# Altium PCB PCB1.PcbDoc (part 1 of 2)
Units mil, origin at the board's own origin, x right, y up, seen from the top; angles counter-clockwise.
Board outline 4330.71 x 4330.71 mil, 3 copper layers (Top Layer, Mid-Layer 3, Bottom Layer); 149 components, 127 nets, 537 pads, 276 vias.
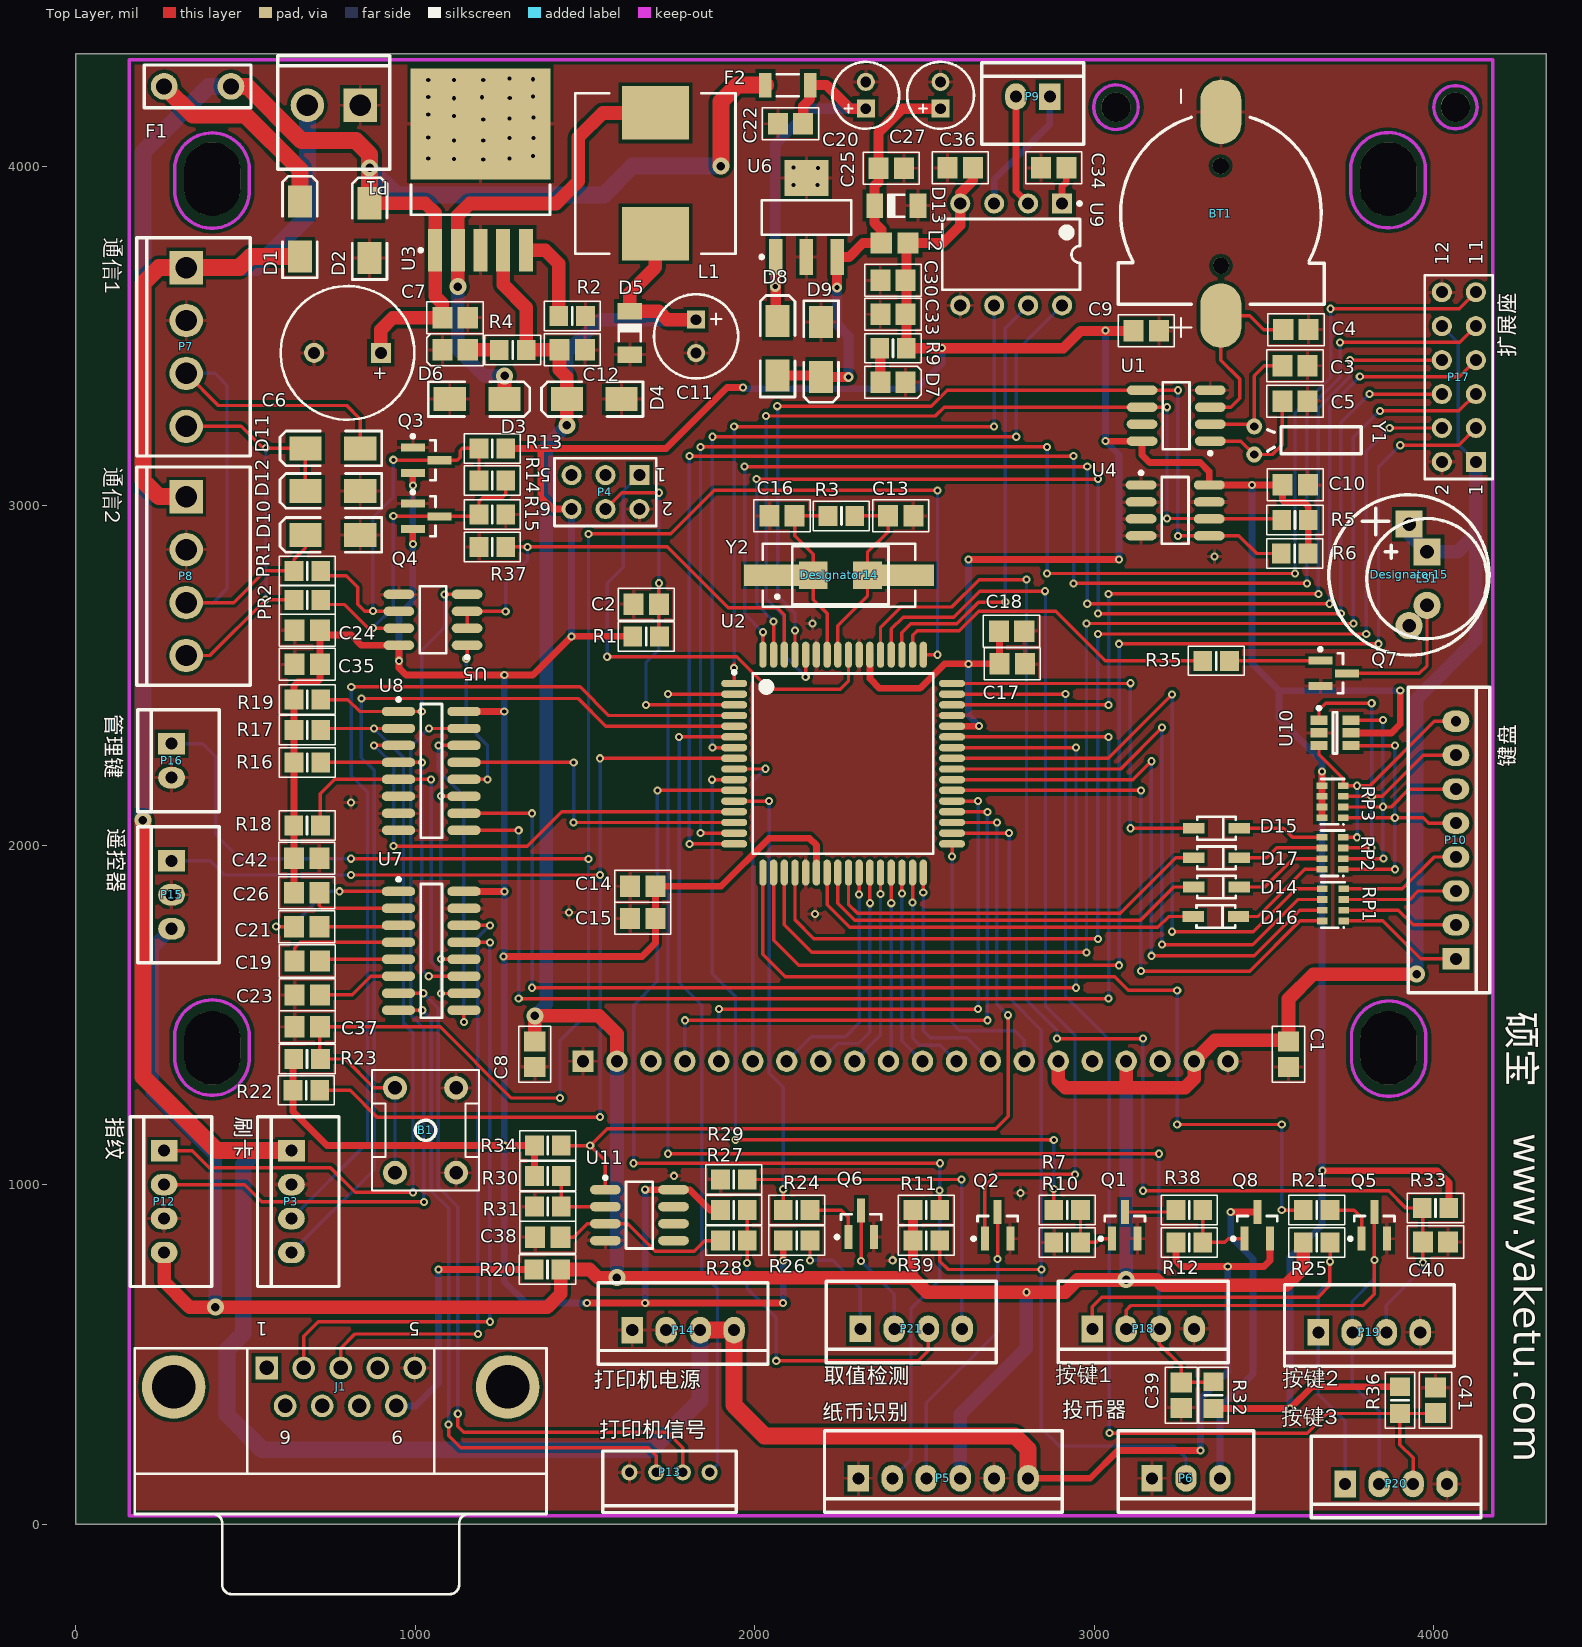
[diagram p0: Top Layer view]
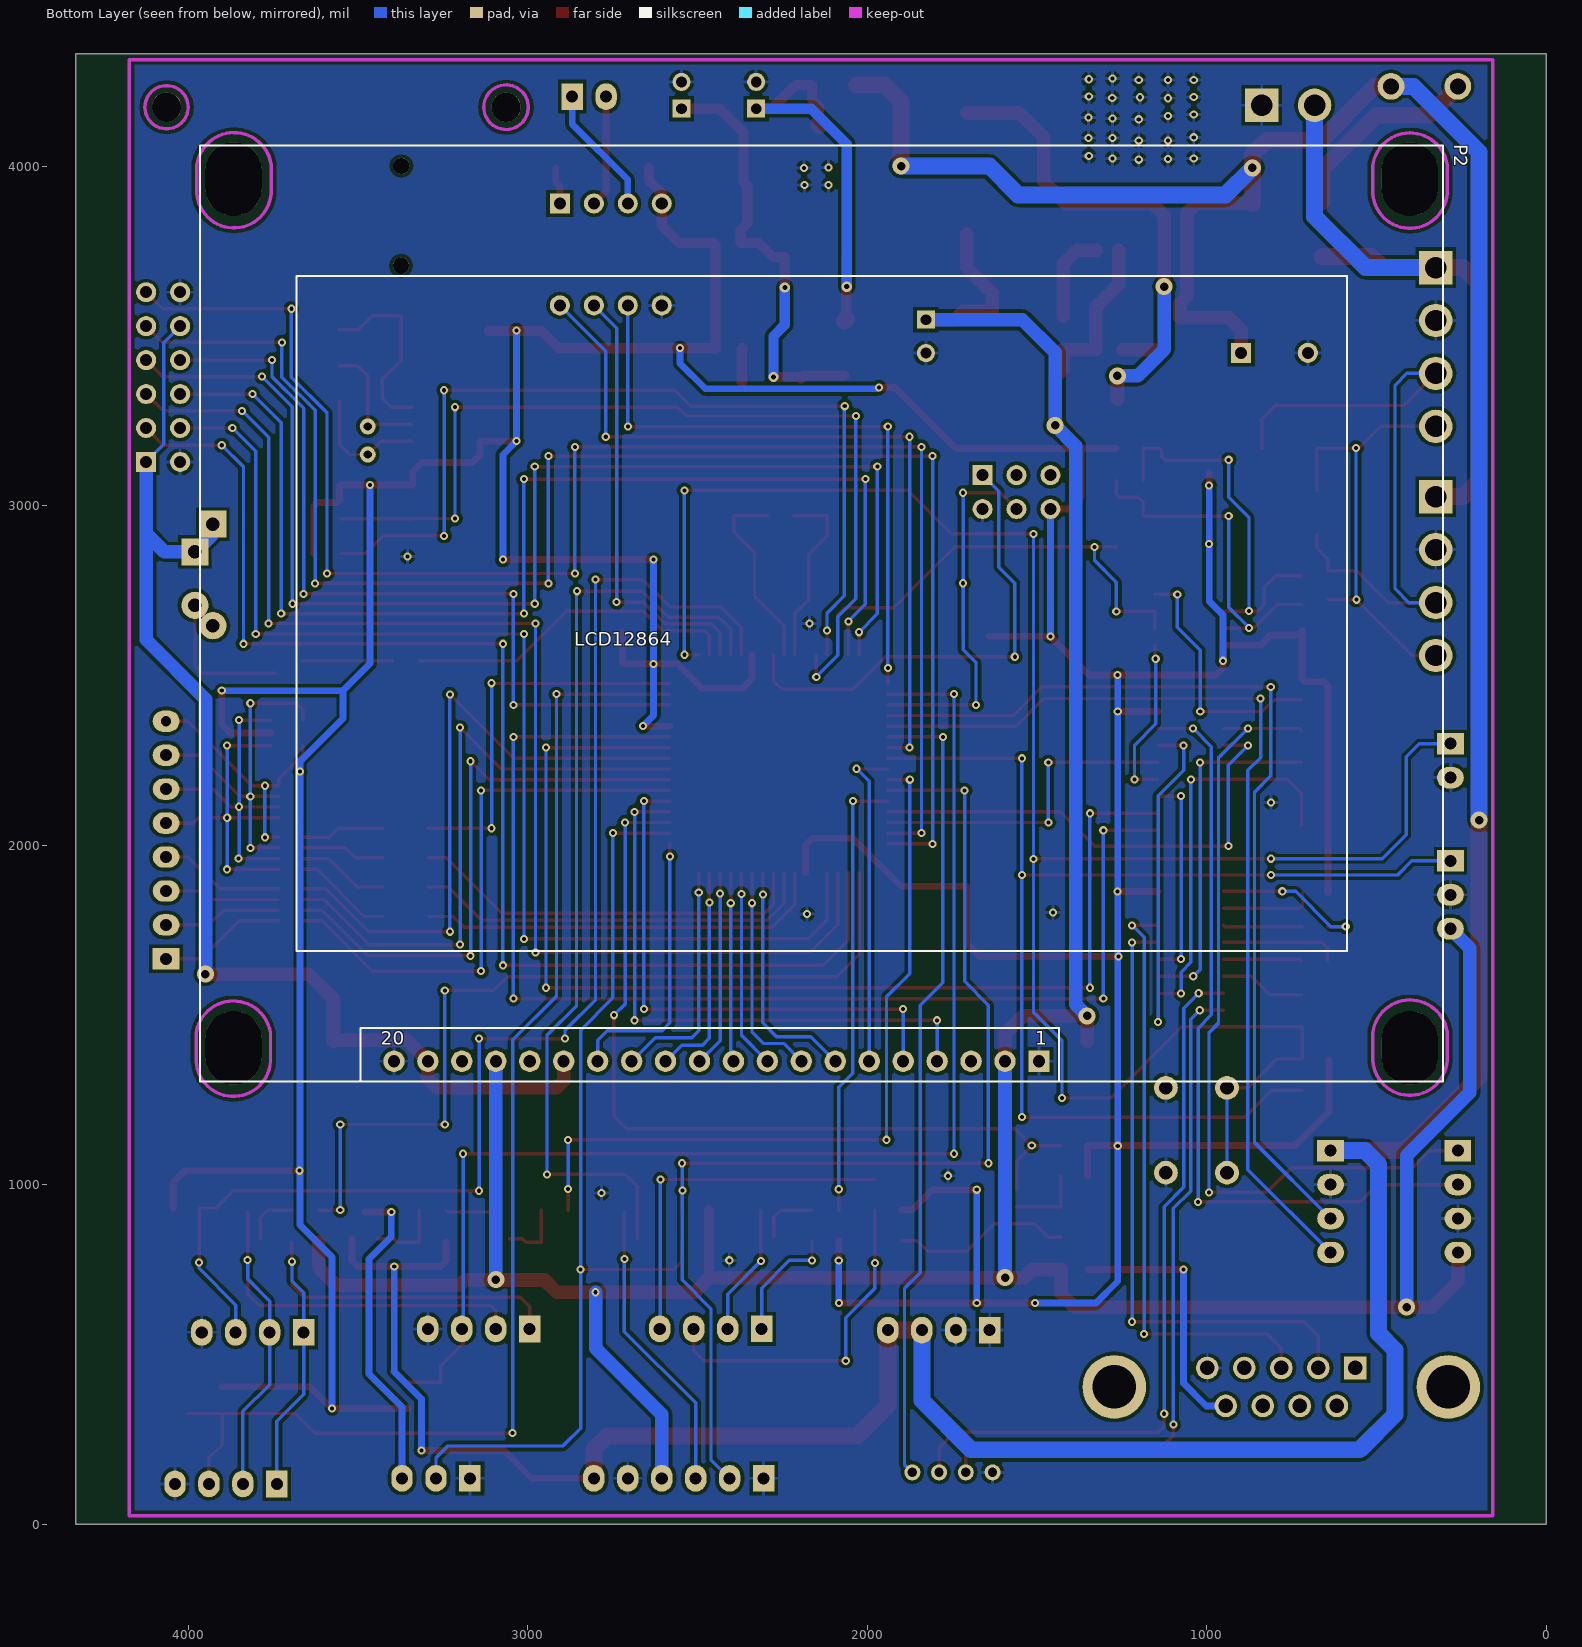
[diagram p1: Bottom Layer view, seen from below]
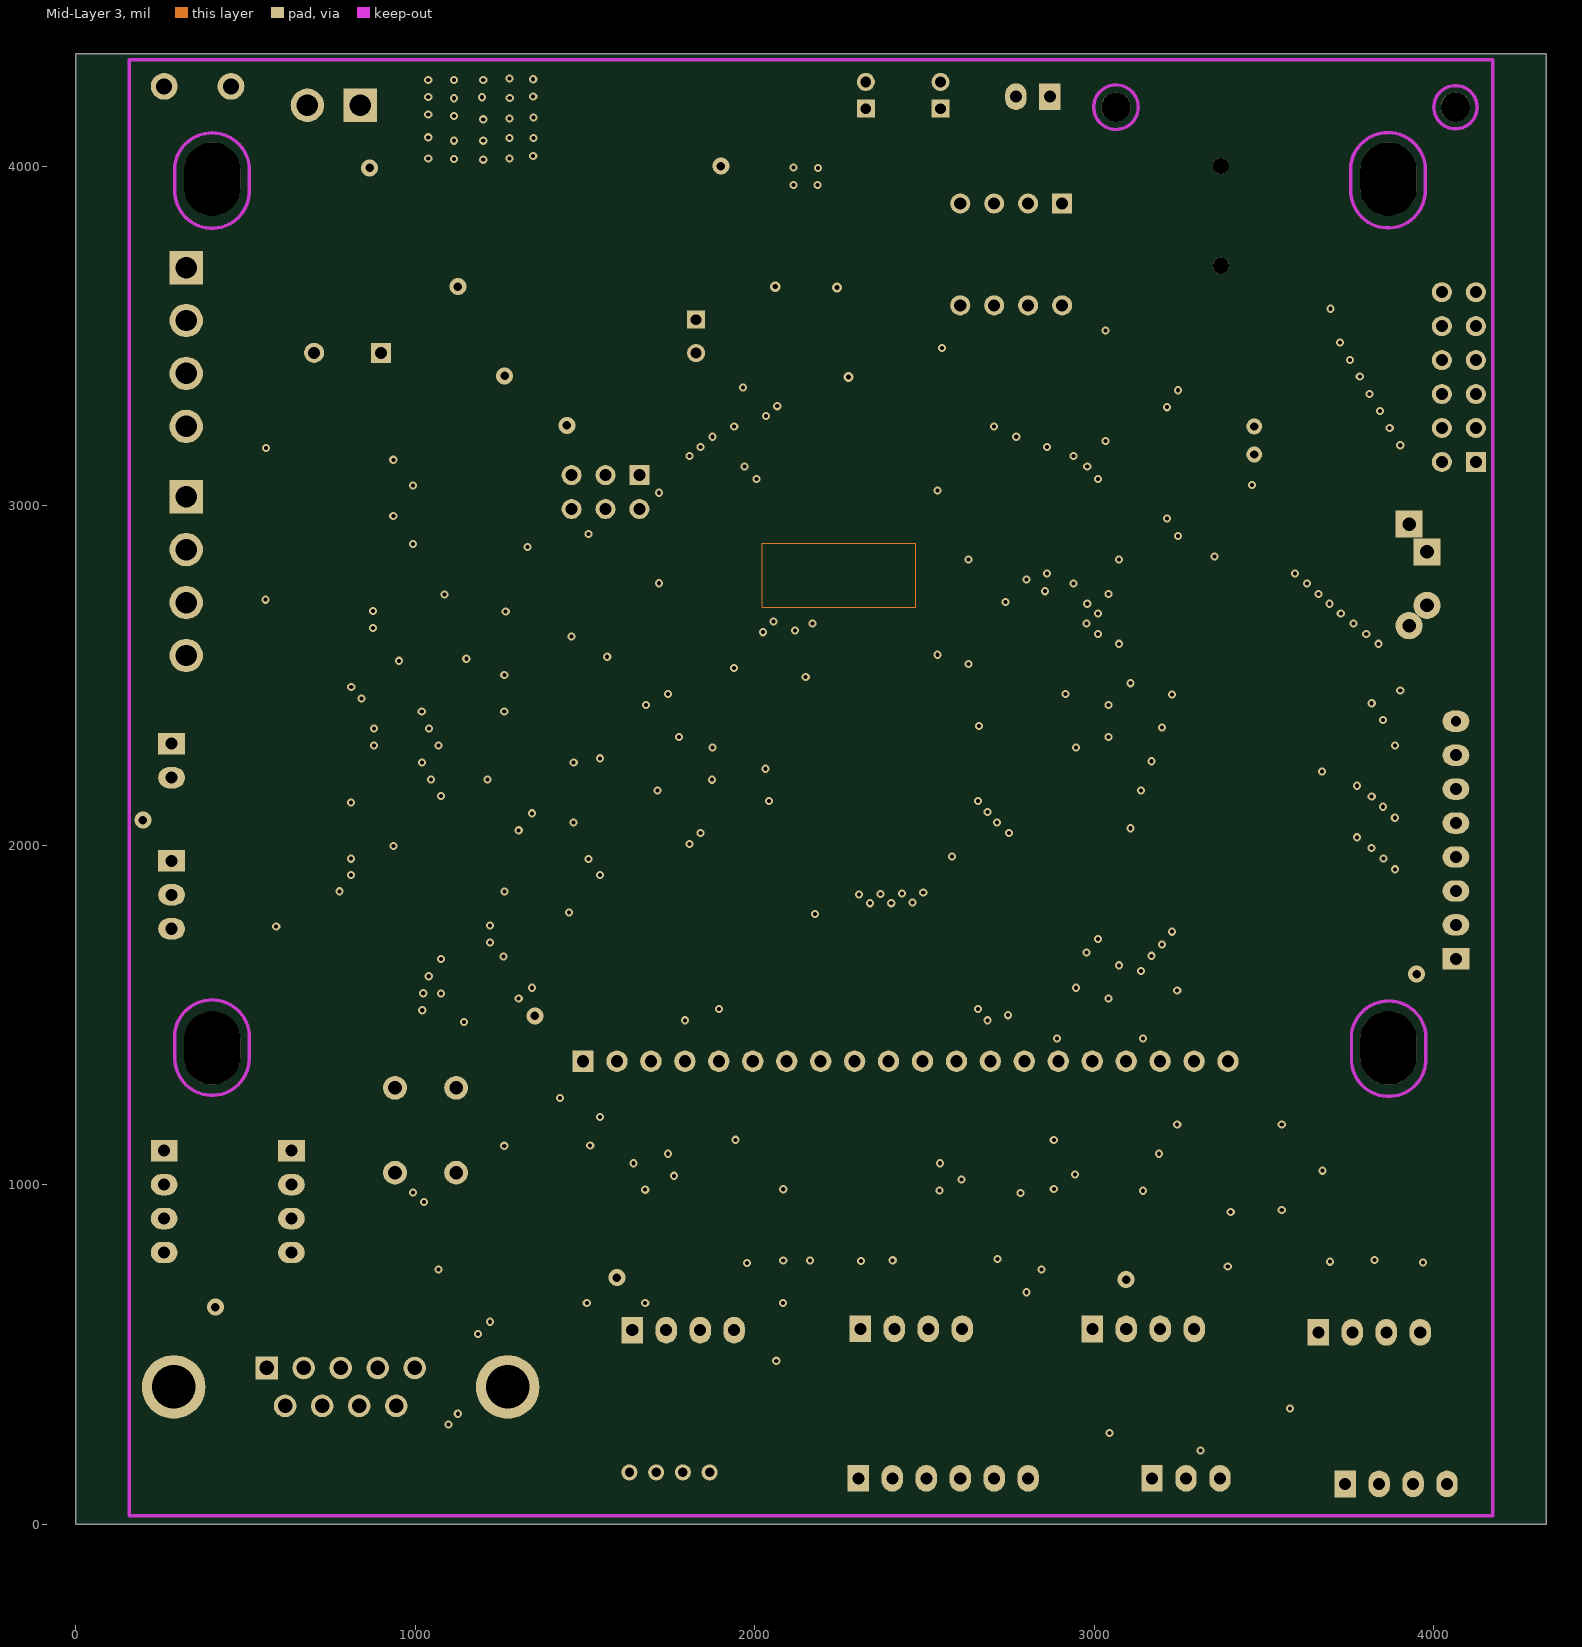
[diagram p2: Mid-Layer 3]

## Layer stack, top to bottom
Top Solder: solder mask 0.4, Solder Resist, Dk 3.5
Top Layer: signal copper 1.4
Dielectric 1: dielectric 12.6, FR-4, Dk 4.8
Mid-Layer 3: signal copper 1.4
Dielectric2: dielectric 12.6, FR-4, Dk 4.8
Bottom Layer: signal copper 1.4
Bottom Solder: solder mask 0.4, Solder Resist, Dk 3.5

## Board outline
0,0 0,4330.71 4330.71,4330.71 4330.71,0

## Design rules (kind name [scope] priority, off if disabled: settings)
Clearance [All] p1: gap=10
HoleSize [All] p1: absolutevalues=TRUE maxlimit=500 minlimit=1 maxpercent=80.000 minpercent=20.000
PolygonConnect [All] p1: connectstyle=Relief reliefconductorwidth=10 reliefentries=4 polygonreliefangle="90 Angle" airgapwidth=10
RoutingVias [All] p1: holewidth=28 width=50 viastyle="Through Hole" minholewidth=28 minwidth=50 maxholewidth=28 maxwidth=50
SilkToBoardRegionClearance [All] p1 off:
SilkToSilkClearance [All] p1 off: silktosilkclearance=10
SilkToSolderMaskClearance [IsPad] p1 off: minsilkscreentomaskgap=10 clearancetoexposedcopper=TRUE
SolderMaskExpansion [All] p1: expansion=4
Width [All] p1: maxlimit=50 minlimit=10 preferedwidth=10
25 further rules are at their usual default settings.

## Components (designator, comment, footprint, x,y, rotation, side; value= is the part's Value field where it differs from the comment)
B1 "管理键" AN66 1030,1160 r0 top
BT1 "电池" CR1220 3372.85,3859.7 r90 top
C1 "0.1uF" CAPC2012M 3572,1384 r90 top
C2 "0.1uF" CAPC2012M 1680,2710 r0 top
C3 "15pF" CAPC2012M 3591,3412 r0 top
C4 "0.1uF" CAPC2012M 3593.85,3518.7 r180 top
C5 "15pF" CAPC2012M 3591,3308 r0 top
C6 "Cap Pol2" CAPPR5-10x12.5 800,3450 r180 top
C7 "0.1uF" CAPC2012M 1116.85,3553.7 r180 top
C8 "0.1uF" CAPC2012M 1352,1384 r90 top
C9 "0.1uF" CAPC2012M 3152.85,3514.7 r0 top
C10 "0.1uF" CAPC2012M 3592,3061 r0 top
C11 "Cap Pol2" CAPPR2.5-6.3x11.5 1826.85,3498.7 r270 top
C12 "0.1uF" CAPC2012M 1461.85,3458.7 r180 top
C13 "15pF" CAPC2012M 2430,2970 r180 top
C14 "0.1uF" CAPC2012M 1670,1879 r0 top
C15 "10uF" CAPC2012M 1670,1784 r0 top
C16 "15pF" CAPC2012M 2080,2970 r0 top
C17 "0.1uF" CAPC2012M 2758,2534 r180 top
C18 "10uF" CAPC2012M 2756.15,2630.3 r180 top
C19 "0.1uF" CAPC2012M 681.85,1658.7 r180 top
C20 "Cap Pol2" CAPPR2-5x11.5 2326.85,4208.7 r90 top
C21 "0.1uF" CAPC2012M 680,1760 r180 top
C22 "0.1uF" CAPC2012M 2105,4125 r0 top
C23 "0.1uF" CAPC2012M 681.85,1558.7 r0 top
C24 "0.1uF" CAPC2012M 681.85,2632.7 r180 top
C25 "0.1uF" CAPC2012M 2401.85,3993.7 r0 top
C26 "0.1uF" CAPC2012M 680,1860 r180 top
C27 "Cap Pol2" CAPPR2-5x11.5 2546.85,4208.7 r90 top
C30 "10uF" CAPC2012M 2406.85,3663.7 r0 top
C33 "0.1uF" CAPC2012M 2406.85,3563.7 r0 top
C34 "0.1uF" CAPC2012M 2880,3995 r180 top
C35 "0.1uF" CAPC2012M 681.85,2532.7 r180 top
C36 "0.1uF" CAPC2012M 2605,3995 r0 top
C37 "0.1uF" CAPC2012M 681,1465 r0 top
C38 "0.1uF" CAPC2012M 1390,845 r0 top
C39 "0.1uF" CAPC2012M 3256,380 r90 top
C40 "0.1uF" CAPC2012M 4005,831 r180 top
C41 "0.1uF" CAPC2012M 4005,365 r270 top
C42 "0.1uF" CAPC2012M 680,1961 r0 top
D1 "Diode" DSO-C2/X1.8 660,3815 r90 top
D2 "TVS" DSO-C2/X1.8 865,3810 r90 top
D3 "1N5822" DSO-C2/X1.8 1181.85,3313.7 r0 top
D4 "TVS" DSO-C2/X1.8 1526.85,3313.7 r180 top
D5 "ZEN" DIO1206 1631.85,3508.7 r90 top
D6 "LED" LED2012M 1116.85,3458.7 r180 top
D7 "LED" LED2012M 2406.85,3363.7 r0 top
D8 "1N5822" DSO-C2/X1.8 2066.85,3463.7 r90 top
D9 "TVS" DSO-C2/X1.8 2195,3460 r270 top
D10 "SMAJ6.0" DSO-C2/X1.8 756.85,2913.7 r180 top
D11 "SMAJ6.0" DSO-C2/X1.8 756.85,3168.7 r180 top
D12 "SMAJ6.0" DSO-C2/X1.8 756.85,3043.7 r180 top
D13 "TVS" DIO1206 2416.85,3883.7 r180 top
D14 "1N4007" SOD123 3359.85,1876.7 r0 top
D15 "1N4007" SOD123 3359.85,2049.7 r0 top
D16 "1N4007" SOD123 3357.85,1789.7 r0 top
D17 "1N4007" SOD123 3359.85,1962.7 r0 top
Designator14 "Comment" HC49_SMD 2248,2795 r0 top
Designator15 "Comment" BELL 3927,2796 r90 top
F1 "Fuse" SR075 260,4235 r0 top
F2 "Fuse" FUSE1206N 2096.85,4238.7 r0 top
J1 "D Connector 9" DSUB1.385-2H9 780,30 r180 top
L1 "Inductor" Inductor12x12 1706.85,3978.7 r270 top
L2 "Inductor" INDC2012M 2411.85,3773.7 r0 top
LS1 "Buzzer" bell_2 3980,2785 r90 top
P1 "Header 2" VH396-2 925,4325 r180 top
P2 "液晶屏" LCD12864 3945,1265 r180 bottom locked
P3 "Header 4" XH254-4 635,1100 r270 top
P4 "DEBUG" HDR2X3 1660,3090 r180 top
P5 "Header 6" XH254-6 2305,135 r0 top
P6 "投币" XH254-3 3170,135 r0 top
P7 "Header 4" VH396-4 179.33,3788.7 r270 top
P8 "Header 4" VH396-4 179.33,3113.7 r270 top
P9 "Header 2" XH254-2 2868.85,4204.7 r180 top
P10 "键盘" XH254-8 4065,1665 r90 top
P12 "指纹" XH254-4 260,1100 r270 top
P13 "打印信号" "PH-A4 2.0" 1866.85,152.37 r180 top
P14 "打印电源" XH254-4 1638.85,571.37 r0 top
P15 "1838T" XH254-3 281.85,1953.7 r270 top
P16 "Header 2" XH254-2 281.85,2298.7 r270 top
P17 "Header 6X2" HDR2X6 4123.7,3128.7 r90 top locked
P18 "Header 4" XH254-4 2994,575 r0 top
P19 "Header 4" XH254-4 3660,565 r0 top
P20 "Header 4" XH254-4 3738.85,118.37 r0 top
P21 "Header 4" XH254-4 2310.85,575.37 r0 top
PR1 "JK60-010" RESC2012M 681.85,2807.7 r180 top (schematic designator PTC1)
PR2 "JK60-010" RESC2012M 681.85,2722.7 r180 top (schematic designator PTC2)
Q1 "8050" SOT23-3M 3090,880 r90 top
Q2 "NPN" SOT23-3M 2715,880 r90 top
Q3 "BAV99-A7" SOT23-3M 1031.85,3133.7 r0 top
Q4 "BAV99-A7" SOT23-3M 1031.85,2968.7 r0 top
Q5 "8050" SOT23-3M 3825,880 r90 top
Q6 "8050" SOT23-3M 2313,885 r90 top
Q7 "8050" SOT23-3M 3705,2506 r0 top
Q8 "SI2301" SOT23-3M 3480,880 r90 top
R1 "10K" RESC2012M 1680,2615 r180 top
R2 "100K" RESC2012M 1461.85,3558.7 r180 top
R3 "1M" RESC2012M 2255,2970 r180 top
R4 "1K" RESC2012M 1286.85,3458.7 r0 top
R5 "10K" RESC2012M 3591,2958 r0 top
R6 "10K" RESC2012M 3590,2859 r0 top
R7 "470" RESC2012M 2920,925 r0 top
R9 "1K" RESC2012M 2406.85,3463.7 r0 top
R10 "1K" RESC2012M 2920,830 r0 top
R11 "1K" RESC2012M 2505,925 r180 top
R12 "10K" RESC2012M 3280,830 r180 top
R13 "620" RESC2012M 1226.85,3168.7 r0 top
R14 "120" RESC2012M 1226.85,3073.7 r180 top
R15 "620" RESC2012M 1226.85,2973.7 r180 top
R16 "10K" RESC2012M 681.85,2243.7 r180 top
R17 "10K" RESC2012M 681.85,2338.7 r180 top
R18 "10K" RESC2012M 681,2058 r180 top
R19 "10K" RESC2012M 681.85,2428.7 r180 top
R20 "0" RESC2012M 1389,750 r0 top
R21 "470" RESC2012M 3655,925 r0 top
R22 "10K" RESC2012M 679,1278 r180 top
R23 "10K" RESC2012M 681,1370 r180 top
R24 "470" RESC2012M 2123,925 r0 top
R25 "100" RESC2012M 3655,830 r180 top
R26 "500" RESC2012M 2123,835 r180 top
R27 "100K" RESC2012M 1938,925 r180 top
R28 "1K" RESC2012M 1938,835 r180 top
R29 "0" RESC2012M 1938,1015 r180 top
R30 "10K" RESC2012M 1390,1025 r180 top
R31 "10K" RESC2012M 1390,935 r0 top
R32 "10K" RESC2012M 3351,380 r270 top
R33 "10K" RESC2012M 4005,931 r0 top
R34 "10K" RESC2012M 1390,1115 r180 top
R35 "100" RESC2012M 3359,2543 r0 top
R36 "10K" RESC2012M 3900,365 r90 top
R37 "10K" RESC2012M 1226.85,2878.7 r0 top
R38 "10K" RESC2012M 3280,925 r0 top
R39 "10K" RESC2012M 2505,835 r180 top
RP1 "1K" EXB38V 3703,1824 r90 top
RP2 "10K" EXB38V 3702,1976 r90 top
RP3 "10K" EXB38V 3702,2128 r90 top
U1 "SD2068" SO8_M 3241,3265 r180 top
U2 "MC9S08AC60" QFP80P1720X1720-64N 2260,2240 r0 top
U3 "LM2596S-5.0" TS5B_N 1191.85,3988.7 r90 top
U4 "24CXX" SO8_M 3238,2986 r0 top
U5 "MAX485ESA" SO8_M 1051.85,2663.7 r180 top
U6 "LM7805" SOT223-4M 2151.85,3848.7 r90 top
U7 "MAX232AESE" SO16_M 1046.85,1688.7 r0 top
U8 "CD4052BCM" SO16_M 1046.85,2218.7 r0 top
U9 "NY3P065B" DIP-8 2755,3740 r270 top
U10 "RSV05-4" SOT26A-6M 3708.85,2330.7 r0 top
U11 "LM393D" SO8_M 1660,910 r0 top
Y1 "XTAL" XTAL-W2/D2.1 3471,3192 r0 top
Y2 "XTAL" JZ_5032 2252,2795 r180 top

## Footprints (in the part's own frame and the unit in brackets; to place one, negate y for a bottom-side part, rotate by r counter-clockwise, add the part's x,y. Pads: shape width x height; smd on the part's side, far side on the other; paste and mask are expansions set on the pad)
AN66 [mil]
  round 70 hole 40: 1(-90,125) 2(90,125) 3(-90,-125) 4(90,-125)
  silkscreen extent -157,-177 157,177
BELL [mil]
  rect 80x80 hole 40: 1(149.61,0)
  round 80 hole 40: 2(-149.61,0)
  silkscreen extent -236,-236 236,236
bell_2 [mil]
  rect 80x80 hole 40: 1(78.74,0)
  round 80 hole 40: 2(-78.74,0)
  silkscreen extent -177,-177 177,177
CAPC2012M [mm] "Chip Capacitor, Body 2.0x1.3mm, IPC Low Density"
  rect 1.5x1.6 smd: 1(-0.95,0) 2(0.95,0)
  silkscreen extent -2.1,-1.2 2.1,1.2, body extent -1.1,-0.72 1.1,0.72, height 1.1
CAPPR2-5x11.5 [mm] "Capacitor, Electrolytic, Radial; Body 5 x 11.5 mm (Dia.xH typ); Pin Spacing 2 mm (typ)"
  rect 1.35x1.35 hole 0.8: 1(-1,0)
  round 1.35 hole 0.8: 2(1,0)
  silkscreen extent -2.5,-2.5 2.5,2.5
CAPPR2.5-6.3x11.5 [mm] "Capacitor, Electrolytic, Radial; Body 6.3 x 11.5 mm (Dia.xH typ); Pin Spacing 2.5 mm (typ)"
  rect 1.35x1.35 hole 0.8: 1(-1.25,0)
  round 1.35 hole 0.8: 2(1.25,0)
  silkscreen extent -3.15,-3.15 3.15,3.15
CAPPR5-10x12.5 [mm] "Capacitor, Electrolytic, Radial; Body 10 x 12.5 mm (Dia.xH typ); Pin Spacing 5 mm (typ)"
  rect 1.5x1.5 hole 0.9: 1(-2.5,0)
  round 1.5 hole 0.9: 2(2.5,0)
  silkscreen extent -5,-5 5,5
CR1220 [mil]
  oval 190x120 smd: 1(-300,0) 2(300,0)
  round 48 hole 48 unplated: ""(-153,0) ""(141,0.76)
  silkscreen extent -362,-304 366,302
DIO1206 [mm] "MELF Diode, 2-Leads, Body 3.50x1.65mm, IPC Medium Density"
  rect 1.25x1.85 smd: 1(-1.625,0) 2(1.625,0)
  silkscreen extent -0.6,-0.83 0.6,0.82, body extent -1.85,-0.85 1.85,0.85, height 1.69
DIP-8 [mm] "DIP; 8 Leads; Row Spacing 7.62 mm; Pitch 2.54 mm"
  rect 1.5x1.5 hole 0.9: 1(-3.81,3.81)
  round 1.5 hole 0.9: 2(-3.81,1.27) 3(-3.81,-1.27) 4(-3.81,-3.81) 5(3.81,-3.81) 6(3.81,-1.27) 7(3.81,1.27) 8(3.81,3.81)
  silkscreen extent -3.93,-5.15 2.65,5.24, body extent -3.6,-5.15 3.6,5.15, height 5.08
DSO-C2/X1.8 [mm] "DO-214-AC/SMA; 2 C-Bend Leads; Body 5 x 2.7 mm, inc. leads (LxW)"
  rect 2.4x1.8 smd: 1(-2.05,0) 2(2.05,0)
  silkscreen extent -3.65,-1.3 3.95,1.3
DSUB1.385-2H9 [mm] "Connector; D Subminiature; 9 Position; Right Angle; Pitch 1.385 mm"
  rect 1.69x1.69 hole 1.09: 1(5.54,-10.92)
  round 1.69 hole 1.09: 2(2.77,-10.92) 3(0,-10.92) 4(-2.77,-10.92) 5(-5.54,-10.92) 6(4.155,-8.08) 7(1.385,-8.08) 8(-1.385,-8.08) 9(-4.155,-8.08)
  round 4.76 hole 3.26: 10(-12.495,-9.5) 11(12.495,-9.5)
  silkscreen extent -15.4,-12.4 15.4,6
EXB38V [mm] "Chip Resistor Array, (0603x4); SM; 8 Leads; Body 3.40 x 1.75 mm (LxW max)"
  rect 0.5x0.8 smd: 1(-1.2,-0.8) 2(-0.4,-0.8) 3(0.4,-0.8) 4(1.2,-0.8) 5(1.2,0.8) 6(0.4,0.8) 7(-0.4,0.8) 8(-1.2,0.8)
  silkscreen extent -1.75,-0.87 1.7,0.87
FUSE1206N [mm] "Chip Capacitor, 2-Leads, Body 3.25x1.65mm, IPC Medium Density"
  rect 0.95x1.85 smd: 1(-1.675,0) 2(1.675,0)
  silkscreen extent -0.8,-0.82 0.8,0.82, body extent -1.75,-0.9 1.75,0.9, height 0.85
HC49_SMD [mm]
  rect 4.9x1.6 smd: 1(-4.65,0) 2(4.65,0)
  Mid-Layer 3 lines w0.001: -5.75,-2.4 5.75,-2.4 5.75,2.4 -5.75,2.4 -5.75,-2.4
  silkscreen extent -5.7,-2.35 5.7,2.35
HDR2X3 [mm] "Connector; Header; 3x2 Position"
  rect 1.5x1.5 hole 0.9: 1(0,0)
  round 1.5 hole 0.9: 2(0,2.54) 3(2.54,0) 4(2.54,2.54) 5(5.08,0) 6(5.08,2.54)
  silkscreen extent -1.27,-1.27 6.35,3.81
HDR2X6 [mm] "Connector; Header; 6x2 Position"
  rect 1.5x1.5 hole 0.9: 1(0,0)
  round 1.5 hole 0.9: 2(0,2.54) 3(2.54,0) 4(2.54,2.54) 5(5.08,0) 6(5.08,2.54) 7(7.62,0) 8(7.62,2.54) 9(10.16,0) 10(10.16,2.54) 11(12.7,0) 12(12.7,2.54)
  silkscreen extent -1.27,-1.27 13.97,3.81
INDC2012M [mm] "Chip Inductor, Body 2.0x1.2mm, IPC Low Density"
  rect 1.6x1.6 smd: 1(-1,0) 2(1,0)
  body extent -1.1,-0.7 1.1,0.7, height 1.1
Inductor12x12 [mm]
  rect 4x5 smd: 1(-4.521,0) 2(4.521,0)
  silkscreen extent -6,-6 6,6, body extent -6,-6 6,6, height 8
JZ_5032 [mm]
  rect 2.15x2.05 smd: 1(-2.025,0) 2(2.025,0)
  silkscreen extent -3.6,-2.16 3.6,2.18, body extent -2.57,-1.68 2.58,1.68, height 1.3
LCD12864 [mm]
  oval 4.2x5.5 hole 4.2 slot 5.5 at 90 deg: 0(2,3.5) 0(2,68.5) 0(90,3.5) 0(90,68.5)
  rect 1.6x1.6 hole 0.9: 1(62.26,2.5)
  round 1.6 hole 0.9: 2(59.72,2.5) 3(57.18,2.5) 4(54.64,2.5) 5(52.1,2.5) 6(49.56,2.5) 7(47.02,2.5) 8(44.48,2.5) 9(41.94,2.5) 10(39.4,2.5) 11(36.86,2.5) 12(34.32,2.5) 13(31.78,2.5) 14(29.24,2.5) 15(26.7,2.5) 16(24.16,2.5) 17(21.62,2.5) 18(19.08,2.5) 19(16.54,2.5) 20(14,2.5)
  silkscreen extent -0.5,1 92.5,71
LED2012M [mm] "Chip LED, Body 2.0x1.3mm, IPC Low Density"
  rect 1.5x1.6 smd: 1(-0.95,0) 2(0.95,0)
  silkscreen extent -2.1,-1.2 2.1,1.2, body extent -1.1,-0.72 1.1,0.72, height 1.1
"PH-A4 2.0" [mm]
  round 1.2 hole 0.7: 1(0,0) 2(2,0) 3(4,0) 4(6,0)
  silkscreen extent -2,-1.6 8,3
QFP80P1720X1720-64N [mm] "QFP, 64-Leads, Body 14x14mm, Pitch 0.8mm, IPC Medium Density"
  oval 1.95x0.55 smd: 1(-8.15,6) 2(-8.15,5.2) 3(-8.15,4.4) 4(-8.15,3.6) 5(-8.15,2.8) 6(-8.15,2) 7(-8.15,1.2) 8(-8.15,0.4) 9(-8.15,-0.4) 10(-8.15,-1.2) 11(-8.15,-2) 12(-8.15,-2.8) 13(-8.15,-3.6) 14(-8.15,-4.4) 15(-8.15,-5.2) 16(-8.15,-6) 33(8.15,-6) 34(8.15,-5.2) 35(8.15,-4.4) 36(8.15,-3.6) 37(8.15,-2.8) 38(8.15,-2) 39(8.15,-1.2) 40(8.15,-0.4) 41(8.15,0.4) 42(8.15,1.2) 43(8.15,2) 44(8.15,2.8) 45(8.15,3.6) 46(8.15,4.4) 47(8.15,5.2) 48(8.15,6)
  oval 0.55x1.95 smd: 17(-6,-8.15) 18(-5.2,-8.15) 19(-4.4,-8.15) 20(-3.6,-8.15) 21(-2.8,-8.15) 22(-2,-8.15) 23(-1.2,-8.15) 24(-0.4,-8.15) 25(0.4,-8.15) 26(1.2,-8.15) 27(2,-8.15) 28(2.8,-8.15) 29(3.6,-8.15) 30(4.4,-8.15) 31(5.2,-8.15) 32(6,-8.15) 49(6,8.15) 50(5.2,8.15) 51(4.4,8.15) 52(3.6,8.15) 53(2.8,8.15) 54(2,8.15) 55(1.2,8.15) 56(0.4,8.15) 57(-0.4,8.15) 58(-1.2,8.15) 59(-2,8.15) 60(-2.8,8.15) 61(-3.6,8.15) 62(-4.4,8.15) 63(-5.2,8.15) 64(-6,8.15)
  silkscreen extent -8.27,-6.75 6.75,6.95, body extent -7,-7 7,7, height 2.45
RESC2012M [mm] "Chip Resistor, Body 2.0x1.3mm, IPC Low Density"
  rect 1.4x1.5 smd: 1(-1,0) 2(1,0)
  silkscreen extent -2.1,-1.1 2.1,1.1, body extent -1.07,-0.7 1.07,0.7, height 0.65
SO8_M [mm] "SOIC, 8-Leads, Body 4.9x3.9mm, Pitch 1.27mm, IPC Low Density"
  oval 2.3x0.7 smd: 1(-2.55,1.905) 2(-2.55,0.635) 3(-2.55,-0.635) 4(-2.55,-1.905) 5(2.55,-1.905) 6(2.55,-0.635) 7(2.55,0.635) 8(2.55,1.905)
  silkscreen extent -2.68,-2.5 1,2.93, body extent -2,-2.5 2,2.5, height 1.75
SO16_M [mm] "SOIC, 16-Leads, Body 9.9x3.9mm, Pitch 1.27mm, IPC Low Density"
  oval 2.5x0.7 smd: 1(-2.45,4.445) 2(-2.45,3.175) 3(-2.45,1.905) 4(-2.45,0.635) 5(-2.45,-0.635) 6(-2.45,-1.905) 7(-2.45,-3.175) 8(-2.45,-4.445) 9(2.45,-4.445) 10(2.45,-3.175) 11(2.45,-1.905) 12(2.45,-0.635) 13(2.45,0.635) 14(2.45,1.905) 15(2.45,3.175) 16(2.45,4.445)
  silkscreen extent -2.57,-5 0.8,5.47, body extent -2,-5 2,5, height 1.75
SOD123 [mm] "SOD-123; 2 Leads; Body 2.7 x 1.6 mm, (LxW)"
  rect 1.6x0.8 smd: 1(-1.7,0) 2(1.7,0)
  silkscreen extent -1.45,-0.85 1.45,0.85
SOT23-3M [mm] "SOT23, 3-Leads, Body 2.9x1.3mm, Pitch 0.95mm, Lead Span 2.5mm, IPC Low Density"
  rect 1.8x0.6 smd: 1(-1,0.95) 2(-1,-0.95) 3(1,0)
  silkscreen extent -1.12,-1.5 0.7,1.92, body extent -0.7,-1.5 0.7,1.5, height 1.1
SOT26A-6M [mm]
  rect 1.3x0.7 smd: 1(-1.2,0.95) 2(-1.2,0) 3(-1.2,-0.95) 4(1.2,-0.95) 5(1.2,0) 6(1.2,0.95)
  silkscreen extent -1.32,-1.55 0.15,1.97, body extent -0.9,-1.55 0.9,1.55
SOT223-4M [mm] "SOT223/SC73, 4-Leads, Body 6.5x3.5mm, Pitch 2.3mm, Lead Span 7mm, IPC Low Density"
  rect 2.7x1 smd: 1(-2.95,2.3) 2(-2.95,0) 3(-2.95,-2.3)
  rect 2.7x3.3 smd: 4(2.95,0)
  silkscreen extent -3.07,-3.35 1.3,3.47, body extent -1.85,-3.35 1.85,3.35, height 1.8
SR075 [mm]
  round 2 hole 1.2: 1(0,0) 2(5,0)
  silkscreen extent -1.5,-1.6 6.5,1.6
TS5B_N [mm] "D2-PAK, 6-Leads, Body 8.6x10.2mm, Pitch 1.7mm, Lead Span 14.1mm, IPC Medium Density"
  rect 3.2x1.05 smd: 1(-6,3.4) 2(-6,1.7) 3(-6,0) 4(-6,-1.7) 5(-6,-3.4)
  rect 8.3x10.45 smd: 6(3.45,0)
  silkscreen extent -6.12,-5.2 -1.1,5.2, body extent -3.35,-5.2 6.05,5.2, height 4.65
VH396-2 [mm]
  rect 2.5x2.5 hole 1.6: 1(2.22,3.7)
  round 2.5 hole 1.6: 2(6.18,3.7)
  silkscreen extent 0,0 8.4,8.5
VH396-4 [mm]
  rect 2.5x2.5 hole 1.6: 1(2.22,3.7)
  round 2.5 hole 1.6: 2(6.18,3.7) 3(10.14,3.7) 4(14.1,3.7)
  silkscreen extent 0,0 16.32,8.5
XH254-2 [mm]
  rect 1.6x2 hole 0.9: 1(0,0)
  oval 1.6x2 hole 0.9: 2(2.54,0)
  silkscreen extent -2.54,-2.54 5.08,3.56
XH254-3 [mm]
  rect 1.6x2 hole 0.9: 1(0,0)
  oval 1.6x2 hole 0.9: 2(2.54,0) 3(5.08,0)
  silkscreen extent -2.54,-2.54 7.62,3.56
XH254-4 [mm]
  rect 1.6x2 hole 0.9: 1(0,0)
  oval 1.6x2 hole 0.9: 2(2.54,0) 3(5.08,0) 4(7.62,0)
  silkscreen extent -2.54,-2.54 10.16,3.56
XH254-6 [mm]
  rect 1.6x2 hole 0.9: 1(0,0)
  oval 1.6x2 hole 0.9: 2(2.54,0) 3(5.08,0) 4(7.62,0) 5(10.16,0) 6(12.7,0)
  silkscreen extent -2.54,-2.54 15.24,3.56
XH254-8 [mm]
  rect 1.6x2 hole 0.9: 1(0,0)
  oval 1.6x2 hole 0.9: 2(2.54,0) 3(5.08,0) 4(7.62,0) 5(10.16,0) 6(12.7,0) 7(15.24,0)
  oval 1.6x2 hole 0.76: 8(17.78,0)
  silkscreen extent -2.54,-2.54 20.32,3.56
XTAL-W2/D2.1 [mm] "Crystal, Thru-Hole; 2 Leads; Body 2.1 x 6.2 mm (Dia.xH)"
  round 1.2 hole 0.6: 1(0,1.05) 2(0,-1.05)
  silkscreen extent 1,-0.98 8,1.02

## Part data
B1: library part Button, "Button"
BT1: library part Battery, "Multicell Battery"
C1 C2 C3 C4 C5 C7 C8 C9 C10 C12 C13 C14 C15 C16 C17 C18 C19 C21 C22 C23 C24 C25 C26 C30 C33 C34 C35 C36 C37 C38 C39 C40 C41 C42: library part Cap, "Capacitor"
C6 C11 C20 C27: "Polarized Capacitor (22uf-47uf)"
D1: "Default Diode"
D2 D4 D9 D13: "TVS瞬态抑制二极管"
D3 D5 D10 D11 D12: library part TVS, "TVS瞬态抑制二极管"
D6 D7: "Typical INFRARED GaAs LED"
D8 D14 D15 D16 D17: library part Diode, "Default Diode"
J1: "Receptacle Assembly, 9 Position, Right Angle"
LS1: "Magnetic Transducer Buzzer"
P1 P9 P16: "Header, 2-Pin"
P2: library part "Header 20", "Header, 20-Pin"
P3 P7 P8 P18 P19 P20 P21: "Header, 4-Pin"
P4: library part "Header 3X2", "Header, 3-Pin, Dual row"
P5: "Header, 6-Pin"
P6: library part "Header 3", "Header, 3-Pin"
P10: library part "Header 8", "Header, 8-Pin"
P12 P13 P14: library part "Header 4", "Header, 4-Pin"
P17: "Header, 6-Pin, Dual row"
PR1 PR2 R1 R2 R3 R4 R5 R6 R7 R9 R10 R11 R12 R13 R14 R15 R16 R17 R18 R19 R20 R21 R22 R23 R24 R25 R26 R27 R28 R29 R30 R31 R32 R33 R34 R35 R36 R37 R38 R39: library part Res, "Resistor"
Q1 Q5 Q6 Q7: library part NPN, "NPN Bipolar Transistor"
Q2: "NPN Bipolar Transistor"
RP1 RP2 RP3: library part "Res Pack"
U1: "实时时钟"
U2: "HCS08 MC9S08AC60"
U3: "SIMPLE SWITCHER?Power Converter 150 KHz 3A Step-Down Voltage Regulator, 5-pin TO-263"
U4: "5V, I2C Serial EEPROM"
U5: "Low-Power, Slew-Rate-Limited RS-485/RS-422 Transceiver"
U7: "+5V-Powered, Multichannel RS-232 Driver/Receiver"
U8: "Dual 4-Channel Analog Multiplexer/Demultiplexer"
U10: "USB OR  Ethernet ESD"
U11: "Low-Power Dual Voltage Comparator"
Y1 Y2: "Crystal Oscillator"

## Free pads (board coordinates)
  round 86.61 hole 86.61: 2(3063.7,4173.7) 3(4063.7,4173.7)

## Via types
v1: diameter 24, hole 12, Top Layer to Bottom Layer, 262 vias
v2: diameter 50, hole 25, Top Layer to Bottom Layer, 11 vias
v3: diameter 30, hole 15, Top Layer to Bottom Layer, 3 vias

## Nets (pads, with @x,y where several pads share a name; then routed paths per layer and width w, separated by ;. In a path a pad name is that pad's centre, name@x,y a point inside that pad or via, vN(x,y) a via of type N, cw(c..) or ccw(c..) an arc to the next point about the centre after c; other vN are vias at no path point)
4052_A: U2.42 U8.10 | length 3388.8
  Top Layer w10: U8.10@1143.31,2093.7 v1(1344,2093.7) ; v1(1344,1580) v1(2946,1580) ; U2.42@2580.87,2287.24 v1(2946,2287.24)
  Bottom Layer w10: v1(1344,1580) v1(1344,2093.7) ; v1(2946,1580) v1(2946,2287.24)
4052_B: U2.43 U8.9 | length 3626.6
  Top Layer w10: U8.9@1143.31,2043.7 v1(1304.3,2043.7) ; v1(1304.3,1548) v1(3042,1548) ; U2.43@2580.87,2318.74 2581.13,2319 v1(3042,2319)
  Bottom Layer w10: v1(1304.3,1548) v1(1304.3,2043.7) ; v1(3042,1548) v1(3042,2319)
+5.0V: C1.2 C8.2 C11.1 C12.2 D4.2 D5.2 Designator15.1 L1.2 LS1.1 P2.2 P2.15 P2.17 P2.19 P5.4 P12.4 P15.3 P17.1 P17.10 R4.2 R11.2 R20.2 R25.2 R39.2 U3.4 | length 14719.1
  Top Layer w30: 2464,726 2465.63,727.63 R39.2@2465.63,835 R11.2@2465.63,925
  Top Layer w40: P12.4@260,800 260,714 335,639 v2(411,639) 1389,639 1428.37,678.37 R20.2@1428.37,750 1514,750 1538,726 v2(1593.82,726) 2464,726 2507,683 2914,683 2950,719 v2@3093.82,719 ; U3.4@1258.78,3752.48 1258.78,3651.22 1326.22,3583.78 R4.2@1326.22,3458.7 C12.2@1424.45,3458.7 1424.45,3400.55 1446.14,3378.86 D4.2@1446.14,3313.7 v2(1446.14,3236.14) ; C8.2@1352,1421.4 v2(1352,1497) 1541,1497 1593.82,1444.18 P2.2@1593.82,1363.43 ; L1.2@1706.85,3800.7 1706.85,3701.85 1631.85,3626.85 D5.2@1631.85,3572.68 1717.32,3572.68 1742.09,3547.91 C11.1@1826.85,3547.91 ; P2.15@2893.82,1363.43 2893.82,1306.18 2915,1285 3093.82,1285 ; v2(3093.82,719.82) 3184.18,719.82 3201,703 3564,703 3615.63,754.63 R25.2@3615.63,830 ; P2.17@3093.82,1363.43 3093.82,1285 ; v2(3949,1620) 3645,1620 3572,1547 C1.2@3572,1421.4 3568.48,1424.92 3355.32,1424.92 P2.19@3293.82,1363.43 3293.82,1311.82 3267,1285 3093.82,1285
  Bottom Layer w10: P17.10@4023.7,3528.7 4072,3480.4 4072,3180.4 P17.1@4123.7,3128.7
  Bottom Layer w40: P15.3@281.85,1753.7 225,1696.85 225,1271 411,1085 v2(411,639) ; v2(1352,1497) 1386,1531 1386,3176 v2(1446.14,3236.14) 1446.14,3451.14 1542.91,3547.91 C11.1@1826.85,3547.91 ; v2(1593.82,726) P2.2@1593.82,1363.43 ; P5.4@2605,135 2605,323 2800,518 v1(2800,683) ; v2(3093.82,719.82) P2.17@3093.82,1363.43 ; Designator15.1@3927,2945.61 3927,2916.74 LS1.1@3980,2863.74 4069.74,2863.74 4123.7,2917.7 ; v2(3949,1620) 3949,2430 4123.7,2604.7 4123.7,2917.7 ; P17.1@4123.7,3128.7 4123.7,2917.7
+12V: D1.1 P1.2 P7.1 P8.1 | length 1970.2
  Top Layer w50: P8.1@325,3026.3 244.7,3026.3 197.48,3073.52 197.48,3654.48 244.3,3701.3 P7.1@325,3701.3 481.3,3701.3 514.29,3734.29 D1.1@660,3734.29
  Bottom Layer w50: P7.1@325,3701.3 531.3,3701.3 681.69,3851.69 P1.2@681.69,4179.33
+12V_IN: C6.1 C7.2 D2.2 F1.2 F2.1 P3.1 P5.6 P14.3 P14.4 Q8.2 R12.2 U3.1 | length 11930.9
  Top Layer w20: P5.6@2805,135 2988,135 3070,217 v1(3313,217) ; R12.2@3240.63,830 3240.63,774.37 3256,759 v1(3393,759) 3500,759 3517.4,776.4 Q8.2@3517.4,840.63
  Top Layer w40: D2.2@865,3890.71 1029.29,3890.71 1057.99,3862.01 U3.1@1057.99,3752.48 1057.99,3617.01 1079.45,3595.55 C7.2@1079.45,3553.7 933.7,3553.7 898.43,3518.43 C6.1@898.43,3450
  Top Layer w50: v2(197.48,2074) 197.48,1317.52 415,1100 P3.1@635,1100 ; F1.2@456.85,4235 505,4235 665,4075 825,4075 865,4035 v2(865,3995) D2.2@865,3890.71 ; P14.3@1838.85,571.37 P14.4@1938.85,571.37 1938.85,350.15 2029,260 2766,260 2805,221 P5.6@2805,135 ; v2(1900,4000) 1900,4190 1948.7,4238.7 F2.1@2030.91,4238.7
  Bottom Layer w20: v1(3313,217) 3313,369 3393.5,449.5 3393,450 v1(3393,759)
  Bottom Layer w50: v2(197.48,2074) 197.48,4041.48 391,4235 F1.2@456.85,4235 ; P3.1@635,1100 534,1100 493,1059 493,561 445,513 445,323 549,219 1694,219 1838.85,363.85 P14.3@1838.85,571.37 ; v2(865,3995) 945,3915 1555,3915 1640,4000 v2(1900,4000)
ADMIN: B1.1 B1.3 C37.2 P16.1 R23.1 U2.49 | length 6198.8
  Top Layer w10: R23.1@718.4,1371.97 C37.2@718.4,1465 1073,1465 1283,1255 v1(1426,1255) ; R23.1@720.37,1370 793,1370 878,1285 B1.1@940,1285 ; v1(810,1960) v1@1510,1960 ; v1(1510,2917) 1752,2917 1879.87,3044.87 v1(2538.13,3044.87) ; U2.49@2496.22,2560.87 v1(2538.13,2560.87)
  Bottom Layer w10: P16.1@281.85,2298.7 373.3,2298.7 412,2260 412,2031 483,1960 v1(810,1960) ; B1.3@940,1035 B1.1@940,1285 ; v1(1426,1255) 1426,1424 1510,1508 v1(1510,2917) ; v1(2538.13,2560.87) v1(2538.13,3044.87)
  other v1: 1510,1959
AGND: B1.2 B1.4 BT1.2 C1.1 C2.1 C3.2 C4.1 C5.2 C6.2 C7.1 C8.1 C9.2 C10.2 C11.2 C12.1 C13.1 C14.1 C15.1 C16.1 C17.1 C18.1 C20.2 C22.1 C23.1 C24.2 C25.2 C27.2 C30.1 C33.1 C34.2 C35.2 C36.1 C37.1 C38.1 C39.1 C40.1 C41.1 C42.2 D2.1 D3.1 D4.1 D5.1 D6.2 D7.2 D9.1 D10.1 D12.1 D13.1 J1.5 P1.1 P2.1 P2.20 P3.2 P4.2 P5.1 P5.5 P6.1 P7.2 P8.2 P12.3 P13.4 P14.1 P14.2 P15.2 P16.2 P17.2 P17.12 P18.4 P19.4 P20.4 Q1.2 Q2.2 Q3.1 Q4.1 Q5.2 Q6.2 Q7.2 R2.1 R10.1 R15.1 R29.2 R31.1 R37.1 U1.4 U2.21 U2.45 U2.55 U2.59 U3.3 U3.6 U4.1 U4.2 U4.3 U4.4 U4.7 U5.5 U6.2 U6.4 U7.15 U8.6 U8.7 U8.8 U9.5 U10.2 U11.4
  other v1: 2406,777 2782,975 1762,1026 2177,1797 1453,1802 810,2126 2170,2653 3354,2850 2114,3944 2185,3944 2186,3995 2114,3996 1200,4019 1114,4021 1038,4023 1277,4023 1347,4030 1114,4075 1200,4075 1277,4083 1348,4083 1038,4085 1200,4138 1277,4140 1348,4143 1114,4148 1038,4152 1114,4200 1278,4201 1196,4203 1038,4204 1347,4205 1038,4254 1114,4254 1200,4254 1347,4256 1277,4258
BKGD: P4.1 U2.56 | length 1412.8
  Top Layer w10: v1(1565,2555) 1947.02,2555 2043.02,2459 2252,2459 2275.75,2482.75 U2.56@2275.75,2560.87
  Bottom Layer w10: v1(1565,2555) 1565,2772 1612,2819 1612,3042 P4.1@1660,3090
BUZZER: R35.1 U2.50 | length 1001.8
  Top Layer w10: U2.50@2464.72,2560.87 2464.72,2617.72 2478,2631 2602,2631 2660,2689 2886,2689 3032,2543 R35.1@3319.63,2543
COIN: P6.2 R39.1 U2.34 | length 2853
  Top Layer w10: R39.1@2544.37,835 2544.37,774.63 2569,750 v1(2844,750) ; U2.34@2580.87,2035.28 v1(2749,2035.28)
  Bottom Layer w10: v1(2749,2035.28) 2749,1550 2844,1455 v1(2844,750) 2844,282 2896,230 3235,230 3270,195 P6.2@3270,135
COIN_EN: R7.1 U2.10 | length 2298.4
  Top Layer w10: v1(1874.24,2192.76) U2.10@1939.13,2192.76 ; v1@1943,1131.63 v1(2880.63,1131.63) ; R7.1@2880.63,925 v1(2880.63,987.37)
  Bottom Layer w10: v1(1874.24,2192.76) 1874.24,1621.76 1943,1553 v1(1943,1132) ; v1(2880.63,987.37) v1(2880.63,1131.63)
DB0: P2.7 U2.26 | length 703
  Top Layer w10: v1(2307.24,1855) U2.26@2307.24,1919.13
  Bottom Layer w10: P2.7@2093.82,1363.43 2166.39,1436 2267,1436 2307.24,1476.24 v1(2307.24,1855)
DB1: P2.8 U2.27 | length 650.5
  Top Layer w10: v1@2338.74,1829.26 U2.27@2338.74,1919.13
  Bottom Layer w10: P2.8@2193.82,1363.43 2246.2,1415.8 2305.8,1415.8 2339,1449 v1(2339,1829)
DB2: P2.9 U2.28 | length 587
  Top Layer w10: v1@2370.24,1856.24 U2.28@2370.24,1919.13
  Bottom Layer w10: P2.9@2293.82,1363.43 2370,1439.61 v1(2370,1856)
DB3: P2.10 U2.29 | length 570.2
  Top Layer w10: P2.10@2393.82,1363.43 P2.10@2401.73,1371.34 ; v1(2401.73,1829) U2.29@2401.73,1919.13
  Bottom Layer w10: P2.10@2393.82,1363.43 2401.73,1371.34 v1(2401.73,1829)
DB4: P2.11 U2.30 | length 580.7
  Top Layer w10: v1@2433.23,1858.23 U2.30@2433.23,1919.13
  Bottom Layer w10: v1(2433,1858) 2433,1424.24 P2.11@2493.82,1363.43
DB5: P2.12 U2.31 | length 645.1
  Top Layer w10: v1(2464.72,1831) U2.31@2464.72,1919.13
  Bottom Layer w10: v1(2464.72,1831) 2464.72,1431.28 2485,1411 2546.24,1411 P2.12@2593.82,1363.43
DB6: P2.13 U2.32 | length 715.6
  Top Layer w10: v1@2496.22,1860.22 U2.32@2496.22,1919.13
  Bottom Layer w10: v1(2496,1860) 2496,1453 2516,1433 2624.24,1433 P2.13@2693.82,1363.43 P2.13@2693.82,1378.18
DB7: P2.14 U2.33 | length 823.5
  Top Layer w10: v1(2580.87,1967) U2.33@2580.87,2003.78
  Bottom Layer w10: v1(2580.87,1967) 2580.87,1476.13 2604,1453 2766,1453 2793.82,1425.18 P2.14@2793.82,1363.43
IR: P15.1 R22.1 U2.8 | length 3589.9
  Top Layer w10: R22.1@718.37,1278 808,1278 887,1199 v1(1544,1199) ; v1(810,1912) v1(1544,1912) ; v1(1544,2255.75) U2.8@1939.13,2255.75
  Bottom Layer w10: P15.1@281.85,1953.7 395.3,1953.7 437,1912 v1(810,1912) ; v1(1544,1199) v1@1544,2256
KB_H1: RP1.8 U2.38 | length 1683.8
  Top Layer w10: U2.38@2580.87,2161.26 v1@3137,2161.26 ; v1(3137,1629) 3458,1629 3605.76,1776.76 RP1.8@3671.5,1776.76
  Bottom Layer w10: v1(3137,1629) v1(3137,2161)
KB_H2: RP1.7 U2.39 | length 1741.7
  Top Layer w10: U2.39@2580.87,2192.76 3113.76,2192.76 v1(3168,2247) ; v1(3168,1674) 3471,1674 3605.25,1808.25 RP1.7@3671.5,1808.25
  Bottom Layer w10: v1(3168,1674) v1(3168,2247)
KB_H3: RP1.6 U2.40 | length 1835.1
  Top Layer w10: U2.40@2580.87,2224.25 3077.25,2224.25 v1(3199,2346) ; v1(3199,1707) 3466,1707 3598.75,1839.75 RP1.6@3671.5,1839.75
  Bottom Layer w10: v1(3199,1707) v1(3199,2346)
KB_H4: RP1.5 U2.41 | length 1919.9
  Top Layer w10: U2.41@2580.87,2255.75 3040.75,2255.75 v1(3229,2444) ; v1(3229,1745) 3468,1745 3594.24,1871.24 RP1.5@3671.5,1871.24
  Bottom Layer w10: v1(3229,1745) v1(3229,2444)
KB_V1: D16.1 U2.23 | length 1213.6
  Top Layer w10: U2.23@2212.76,1919.13 2212.76,1824.24 2279,1758 3187,1758 3218.7,1789.7 D16.1@3290.92,1789.7
KB_V2: D14.1 U2.24 | length 1200.1
  Top Layer w10: U2.24@2244.25,1919.13 2244.25,1828.75 2294,1779 3136,1779 3233.7,1876.7 D14.1@3292.92,1876.7
KB_V3: D17.1 U2.25 | length 1189.6
  Top Layer w10: U2.25@2275.75,1919.13 2275.75,1825.54 2302.28,1799 3076,1799 3239.7,1962.7 D17.1@3292.92,1962.7
KB_V4: D15.1 U2.48 | length 1139.5
  Top Layer w10: U2.48@2580.87,2476.22 3105.22,2476.22 v1(3106,2477) ; v1(3106.3,2049.7) D15.1@3292.92,2049.7
  Bottom Layer w10: v1(3106,2477) 3106.3,2476.7 v1(3106.3,2049.7)
KEY1: C39.2 P18.3 R32.1 U2.2 | length 3792
  Top Layer w10: v1(1744,1091) v1(3190,1091) ; v1(1744,2445) 1750,2445 1750.28,2444.72 U2.2@1939.13,2444.72 ; P18.3@3190,575 3190,532 3256,466 C39.2@3256,417.4 3349.03,417.4 R32.1@3351,419.37
  Bottom Layer w10: v1(1744,1091) v1(1744,2445) ; P18.3@3190,575 v1(3190,1091)